# Allegro board nu_2000_main_211102_02.brd (continued)
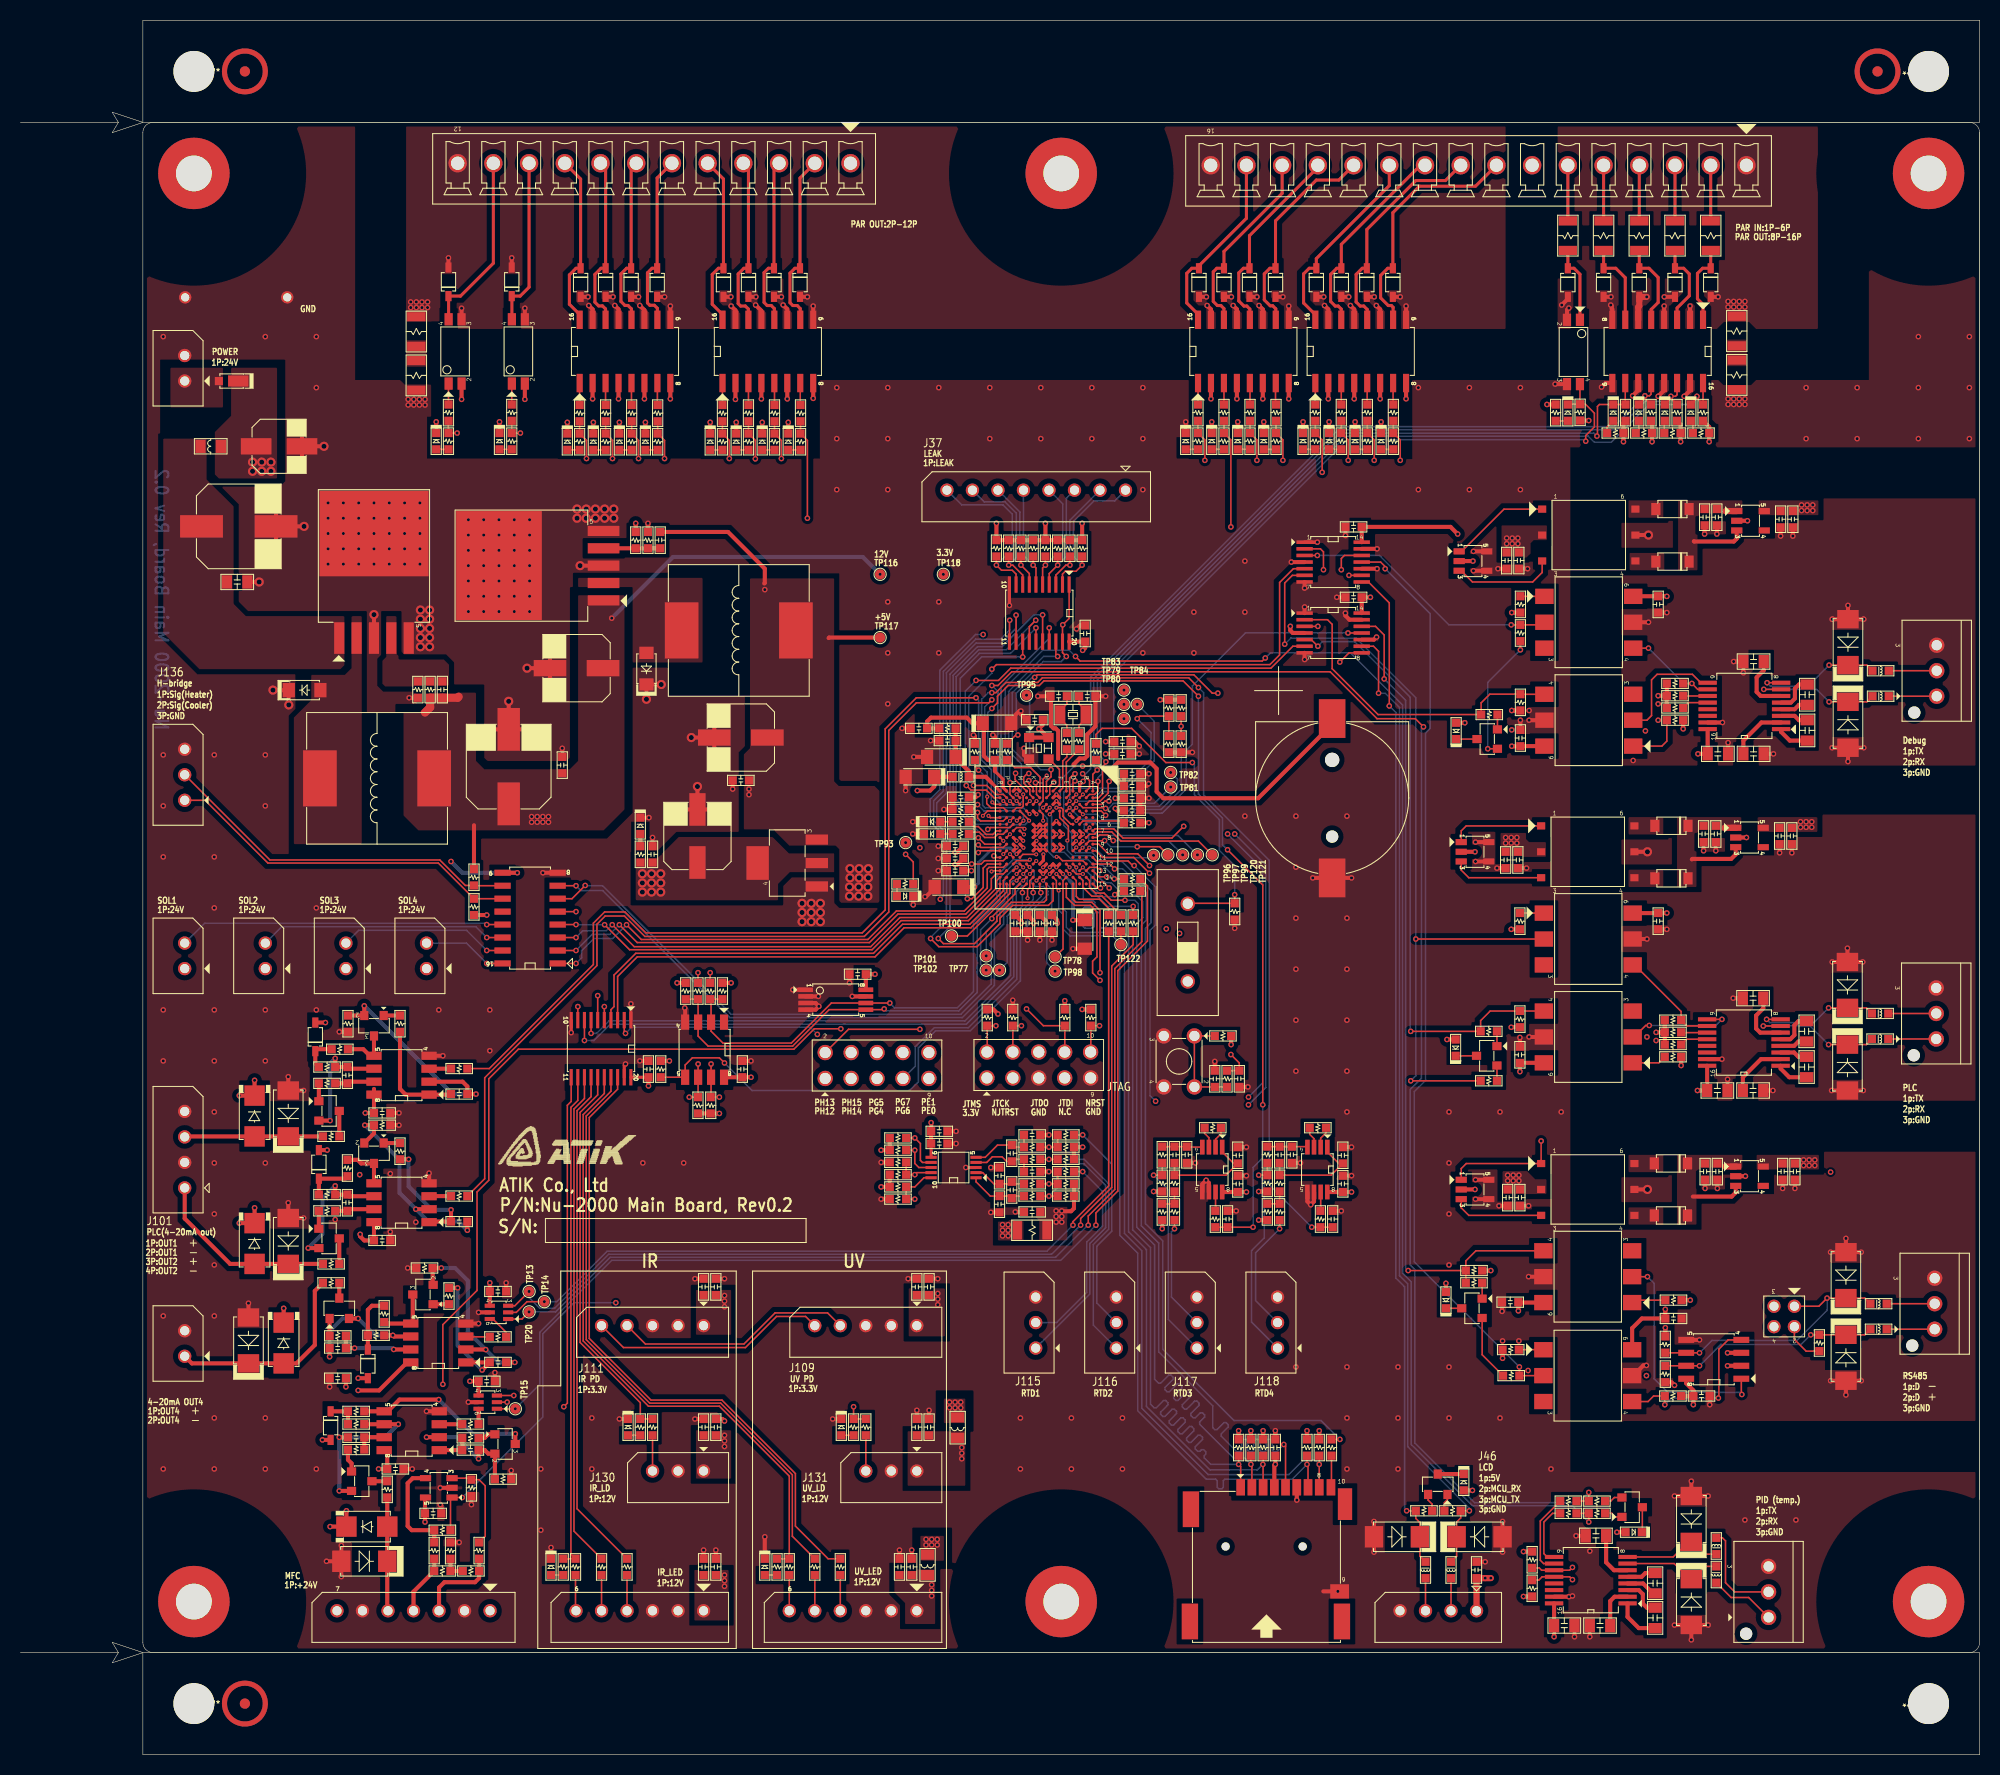
[diagram p0: board, top side]
## Placement (name value [footprint] x y rotation side) (continued)
U19  SP3232ECA-L/TR  [SSOP_16P_A]  153.9 17.1 90 top
U42  TLP293_4  [SOIC_16P_K]  160.45 137.55 180 top
U44  MCP3427-E/UN  [MSOP_10P]  91.45 57.55 90 top
U45  TLP293_4  [SOIC_16P_K]  131.35 137.55 0 top
U46  TLP293_4  [SOIC_16P_K]  119.85 137.55 0 top
U47  TLP293_4  [SOIC_16P_K]  73.25 137.55 0 top
U48  TLP293_4  [SOIC_16P_K]  59.25 137.55 0 top
U66  INA827  [VSSOP_8P_A]  116.8 57.35 180 top
U67  INA827  [VSSOP_8P_A]  127.1 57.35 180 top
U68  KDS181  [SOT23_3P_P]  138.9 26.5 0 top
U69  KDS181  [SOT23_3P_P]  157.95 24.25 270 top
U70  KDS181  [SOT23_3P_P]  143.75 99.55 90 top
U71  KDS181  [SOT23_3P_P]  143.7 68.5 90 top
U72  KDS181  [SOT23_3P_P]  142.25 43.75 90 top
U73  TLP293  [PHOTO_TLP293_4P]  152.2 137.5 270 top
U78  LM7301IM5/NOPB  [SOT23_5P_H]  41 26.15 90 top
U86  max13487eesa  [SOIC_8P]  165.95 38.75 90 top
U87  SN74LV4T125PW  [TSSOP_14P_B]  128.65 116.9 270 top
U88  SN74LV4T125PW  [TSSOP_14P_B]  128.65 109.95 270 top
U106  SP3232ECA-L/TR  [SSOP_16P_A]  168.95 102.8 90 top
U109  SP3232ECA-L/TR  [SSOP_16P_A]  168.9 69.8 90 top
U110  SN6501DBV  [SOT23_5P]  142.35 117 270 top
U111  TPS76350_DBV_5  [SOT23_5P]  169.55 120.95 270 top
U112  H11L1SM  [PDIP_6P]  153.7 111 270 top
U113  H11L1SM  [PDIP_6P]  153.7 101.4 90 top
U114  TPS76350_DBV_5  [SOT23_5P]  169.45 89.9 270 top
U115  SN6501DBV  [SOT23_5P]  142.55 88.5 270 top
U116  H11L1SM  [PDIP_6P]  153.65 79.95 270 top
U117  H11L1SM  [PDIP_6P]  153.65 70.35 90 top
U118  TPS76350_DBV_5  [SOT23_5P]  169.45 56.7 270 top
U119  SN6501DBV  [SOT23_5P]  142.55 55.4 270 top
U120  H11L1SM  [PDIP_6P]  153.6 37.15 270 top
U121  H11L1SM  [PDIP_6P]  153.6 46.85 90 top
U122  TLP293  [PHOTO_TLP293_4P]  42.6 137.55 90 top
U123  TLP293  [PHOTO_TLP293_4P]  48.8 137.55 90 top
U125  SN74LVC541A_PW_20  [TSSOP_20P_C]  56.9 69.2 180 top
U126  PCA9515AD  [SOIC_8P_F]  67.05 69.1 180 top
U127  LM2596DSA  [D2PAK_5P]  34.65 119.7 270 top
U128  LM2596DSA  [D2PAK_5P]  46.9 116.55 0 top
U129  LM7322MA  [SOIC_8P_F]  37.35 54.1 90 top
U130  LM7322MA  [SOIC_8P_F]  37.35 66.6 90 top
U131  LM7322MA  [SOIC_8P_F]  38.35 31.75 90 top
U132  LM7322MA  [SOIC_8P_F]  40.95 40.35 90 top
UNK?  ?  [unnamed#3]  17 15 0 top
UNK?#2  ?  [unnamed#3]  187 155 0 top
UNK?#3  ?  [unnamed#3]  17 155 0 top
UNK?#4  ?  [unnamed#3]  102 155 0 top
UNK?#5  ?  [unnamed#3]  187 15 0 top
UNK?#6  ?  [unnamed#3]  102 15 0 top
UNK?*  -  [unnamed#2]  187 5 180 top
UNK?*#2  -  [unnamed#2]  187 165 180 top
UNK?*#3  -  [unnamed#2]  17 5 0 top
UNK?*#4  -  [unnamed#2]  17 165 0 top
Y1  NX3215SA-32.768K  [XTAL_NX3215SA_2P]  103.15 101.95 180 top
Y2  ASEM1-25  [OSC_ASEMB_3225_4P]  99.8 98.65 270 top

## Library data of the parts
BT1 = BATTERY
C1-C4 C7-C10 C12-C24 C26-C28 C33 C36-C38 C40 C44 C45 C48 C62-C66 C102 C103 C117 C142-C147 C150 C151 C154-C160 C172-C175 C178-C184 C190 C192 C194 C199 C212-C216 C223-C227 C232-C262 C265 = C
C5 C6 C11 C25 C39 C41 C42 C263 C264 = CAP POL
C266-C277 = C_0
D27 D28 D60 D61 D70-D74 D145 D147 D154 D155 D157-D179 = LED_0
D31 D121-D143 D180-D183 = DIODE_0
D33 D156 = SS34FA_4
D75-D78 = DIODE ZENER_0
D79-D90 D92 D93 = DIODE BI-DIR TRIG_0
D148-D153 = MBR0520LT1G_1
J33 = CON10
J34 J121 = CON10AP_0
J36 J120 J132-J135 = 2pin
J37 = 3pin_0
J44 J45 J47 J48 = 3pin
J46 J101 = 3pin_2
J52 = CON16
J53 = CON12
J107 J108 = 5267-06A_1
J109 J111 = 3pin_5
J115-J118 J130 J131 J136 = 3pin_6
J119 = 3pin_7
J129 = JUMPER1
JP1 = JUMPER2
L1-L3 L8-L17 L20-L22 = INDUCTOR
Q100 Q102 Q104 Q106 = SI2319DS-T1-E3_0
Q101 Q103 Q105 Q107 = 2N7002_1
R1-R11 R13-R17 R19-R25 R28 R30 R33-R40 R156-R158 R160 R162-R165 R232 R233 R246 R247 R255 R256 R334-R342 R344-R352 R355 R356 R359 R360 R363 R364 R367 R368 R371 R372 R374 R375 R407-R411 R424-R427 R446 R448 R476 R477 R482-R522 = r_0
R12 = R
R45-R48 R269-R272 R438 R439 R461-R472 R474 R475 R478-R481 R523 R527 R530 R531 R535 R536 R540 R541 = R_1
R85-R88 R144 R151 R171 R176 R178 R180 R188 R189 R191 R193 R198-R201 R206-R209 R214-R216 R221 R223 R229 R231 R265 R266 R381 R383-R388 R428-R430 R524-R526 R528 R529 R532-R534 R537-R539 R542 = r_1
SW1 = SW TACT-SPST-2
SW2 = SW DPDT/SM_4
T1-T3 = 760390014_0
TP13-TP15 TP20 TP77-TP84 TP93 TP95-TP98 TP100-TP102 TP116-TP118 TP120-TP122 = TP_1
TP99 = TP_3
U1 = stm32f4xxh1_0
U3 = 24AA01P_4
U6 = LDO_1
U7 = HCTS540MS_3
U9 U12 = LTC2630_0
U14 = ULN2003A_0
U19 U106 U109 = SP3232E
U42 U45-U48 = TLP293_4
U44 = MCP3427-E/UN_0
U66 U67 = INA827_2
U68-U72 = KDS181_5
U73 U122 U123 = TLP293_0
U78 = OPA686/SO_4
U86 = MAX13487EESAT_0
U87 U88 = SN74LV4T125PWR_0
U110 U115 U119 = SN6501DBVT_0
U111 U114 U118 = TPS76350DBVT_1
U112 U113 U116 U117 U120 U121 = H11L1S-M_2
U125 = SN74LVC541APWR_3
U126 = PCA9515AD_3
U127 U128 = LM2596DSADJR4G_0
U129-U132 = LM7322MA_0
Y1 = CRYSTAL
Y2 = OSC-25MHz_0

## Footprints (pads in the part's own frame, mm; a bottom-side part is the same pattern mirrored in y, then rotated)
B1608
  rect 0.8x0.8 smd: 1(-0.8,0) 2(0.8,0)
BGA_10X10_201P
  round 0.3 smd: A1(-4.55,4.55) A2(-3.9,4.55) A3(-3.25,4.55) A4(-2.6,4.55) A5(-1.95,4.55) A6(-1.3,4.55) A7(-0.65,4.55) A8(0,4.55) A9(0.65,4.55) A10(1.3,4.55) A11(1.95,4.55) A12(2.6,4.55) A13(3.25,4.55) A14(3.9,4.55) A15(4.55,4.55) B1(-4.55,3.9) B2(-3.9,3.9) B3(-3.25,3.9) B4(-2.6,3.9) B5(-1.95,3.9) B6(-1.3,3.9) B7(-0.65,3.9) B8(0,3.9) B9(0.65,3.9) B10(1.3,3.9) B11(1.95,3.9) B12(2.6,3.9) B13(3.25,3.9) B14(3.9,3.9) B15(4.55,3.9) C1(-4.55,3.25) C2(-3.9,3.25) C3(-3.25,3.25) C4(-2.6,3.25) C5(-1.95,3.25) C6(-1.3,3.25) C7(-0.65,3.25) C8(0,3.25) C9(0.65,3.25) C10(1.3,3.25) C11(1.95,3.25) C12(2.6,3.25) C13(3.25,3.25) C14(3.9,3.25) C15(4.55,3.25) D1(-4.55,2.6) D2(-3.9,2.6) D3(-3.25,2.6) D4(-2.6,2.6) D5(-1.95,2.6) D6(-1.3,2.6) D7(-0.65,2.6) D8(0,2.6) D9(0.65,2.6) D10(1.3,2.6) D11(1.95,2.6) D12(2.6,2.6) D13(3.25,2.6) D14(3.9,2.6) D15(4.55,2.6) E1(-4.55,1.95) E2(-3.9,1.95) E3(-3.25,1.95) E4(-2.6,1.95) E12(2.6,1.95) E13(3.25,1.95) E14(3.9,1.95) E15(4.55,1.95) F1(-4.55,1.3) F2(-3.9,1.3) F3(-3.25,1.3) F4(-2.6,1.3) F6(-1.3,1.3) F7(-0.65,1.3) F8(0,1.3) F9(0.65,1.3) F10(1.3,1.3) F12(2.6,1.3) F13(3.25,1.3) F14(3.9,1.3) F15(4.55,1.3) G1(-4.55,0.65) G2(-3.9,0.65) G3(-3.25,0.65) G4(-2.6,0.65) G6(-1.3,0.65) G7(-0.65,0.65) G8(0,0.65) G9(0.65,0.65) G10(1.3,0.65) G12(2.6,0.65) G13(3.25,0.65) G14(3.9,0.65) G15(4.55,0.65) H1(-4.55,0) H2(-3.9,0) H3(-3.25,0) H4(-2.6,0) H6(-1.3,0) H7(-0.65,0) H8(0,0) H9(0.65,0) H10(1.3,0) H12(2.6,0) H13(3.25,0) H14(3.9,0) H15(4.55,0) J1(-4.55,-0.65) J2(-3.9,-0.65) J3(-3.25,-0.65) J4(-2.6,-0.65) J6(-1.3,-0.65) J7(-0.65,-0.65) J8(0,-0.65) J9(0.65,-0.65) J10(1.3,-0.65) J12(2.6,-0.65) J13(3.25,-0.65) J14(3.9,-0.65) J15(4.55,-0.65) K1(-4.55,-1.3) K2(-3.9,-1.3) K3(-3.25,-1.3) K4(-2.6,-1.3) K6(-1.3,-1.3) K7(-0.65,-1.3) K8(0,-1.3) K9(0.65,-1.3) K10(1.3,-1.3) K12(2.6,-1.3) K13(3.25,-1.3) K14(3.9,-1.3) K15(4.55,-1.3) L1(-4.55,-1.95) L2(-3.9,-1.95) L3(-3.25,-1.95) L4(-2.6,-1.95) L12(2.6,-1.95) L13(3.25,-1.95) L14(3.9,-1.95) L15(4.55,-1.95) M1(-4.55,-2.6) M2(-3.9,-2.6) M3(-3.25,-2.6) M4(-2.6,-2.6) M5(-1.95,-2.6) M6(-1.3,-2.6) M7(-0.65,-2.6) M8(0,-2.6) M9(0.65,-2.6) M10(1.3,-2.6) M11(1.95,-2.6) M12(2.6,-2.6) M13(3.25,-2.6) M14(3.9,-2.6) M15(4.55,-2.6) N1(-4.55,-3.25) N2(-3.9,-3.25) N3(-3.25,-3.25) N4(-2.6,-3.25) N5(-1.95,-3.25) N6(-1.3,-3.25) N7(-0.65,-3.25) N8(0,-3.25) N9(0.65,-3.25) N10(1.3,-3.25) N11(1.95,-3.25) N12(2.6,-3.25) N13(3.25,-3.25) N14(3.9,-3.25) N15(4.55,-3.25) P1(-4.55,-3.9) P2(-3.9,-3.9) P3(-3.25,-3.9) P4(-2.6,-3.9) P5(-1.95,-3.9) P6(-1.3,-3.9) P7(-0.65,-3.9) P8(0,-3.9) P9(0.65,-3.9) P10(1.3,-3.9) P11(1.95,-3.9) P12(2.6,-3.9) P13(3.25,-3.9) P14(3.9,-3.9) P15(4.55,-3.9) R1(-4.55,-4.55) R2(-3.9,-4.55) R3(-3.25,-4.55) R4(-2.6,-4.55) R5(-1.95,-4.55) R6(-1.3,-4.55) R7(-0.65,-4.55) R8(0,-4.55) R9(0.65,-4.55) R10(1.3,-4.55) R11(1.95,-4.55) R12(2.6,-4.55) R13(3.25,-4.55) R14(3.9,-4.55) R15(4.55,-4.55)
BT_BC501SM_2P
  round 1.2 hole 1.2 unplated: (0,3.76)
  round 1.41 hole 1.4 unplated: (0,-3.76)
  rect 2.6x3.8 smd: 1(0,-7.81) 2(0,7.81)
C1608
  rect 0.8x0.8 smd: 1(-0.8,0) 2(0.8,0)
C2012
  rect 1x1.3 smd: 1(-1,0) 2(1,0)
CONN_39501_1012_12P
  round 1.8 hole 1.3: 1(-19.25,0) 2(-15.75,0) 3(-12.25,0) 4(-8.75,0) 5(-5.25,0) 6(-1.75,0) 7(1.75,0) 8(5.25,0) 9(8.75,0) 10(12.25,0) 11(15.75,0) 12(19.25,0)
CONN_39501_1016_16P
  round 1.8 hole 1.3: 1(-26.25,0) 2(-22.75,0) 3(-19.25,0) 4(-15.75,0) 5(-12.25,0) 6(-8.75,0) 7(-5.25,0) 8(-1.75,0) 9(1.75,0) 10(5.25,0) 11(8.75,0) 12(12.25,0) 13(15.75,0) 14(19.25,0) 15(22.75,0) 16(26.25,0)
CONN_533750310_3P
  round 1.2 hole 1.2 unplated: (4.1,-2.2)
  round 1.5 hole 1: 1(2.5,0) 2(0,0) 3(-2.5,0)
CONN_PH2_04_UA_4P
  round 1.3 hole 0.9: 1(-1,-1) 2(-1,1) 3(1,-1) 4(1,1)
CONN_PH2_10_UA_10P_A
  round 1.5 hole 1.1: 1(-5.08,-1.27) 2(-5.08,1.27) 3(-2.54,-1.27) 4(-2.54,1.27) 5(0,-1.27) 6(0,1.27) 7(2.54,-1.27) 8(2.54,1.27) 9(5.08,-1.27) 10(5.08,1.27)
CONN_PJS008_9P
  rect 1.6x3.5 smd: (-7.5,0) (-7.4,11) (7.4,0)
  round 0.8 hole 0.8 unplated: (-4,7.35) (3.55,7.35)
  rect 1.4x3.1 smd: (7.7,11.5)
  rect 0.85x1.6 smd: 1(-2.525,13.15) 2(-1.425,13.15) 3(-0.325,13.15) 4(0.775,13.15) 5(1.875,13.15) 6(2.975,13.15) 7(4.075,13.15) 8(5.175,13.15) 10(6.325,13.15)
  rect 1.85x1.4 smd: 9(7.175,2.95)
CONN_ST_5267_2P
  round 1.3 hole 0.9: 1(1.25,0) 2(-1.25,0)
CONN_ST_5267_3P
  round 1.3 hole 0.9: 1(2.5,0) 2(0,0) 3(-2.5,0)
CONN_ST_5267_4P
  round 1.3 hole 0.9: 1(3.75,0) 2(1.25,0) 3(-1.25,0) 4(-3.75,0)
CONN_ST_5267_5P
  round 1.3 hole 0.9: 1(5,0) 2(2.5,0) 3(0,0) 4(-2.5,0) 5(-5,0)
CONN_ST_5267_6P
  round 1.3 hole 0.9: 1(6.25,0) 2(3.75,0) 3(1.25,0) 4(-1.25,0) 5(-3.75,0) 6(-6.25,0)
CONN_ST_5267_7P
  round 1.3 hole 0.9: 1(7.5,0) 2(5,0) 3(2.5,0) 4(0,0) 5(-2.5,0) 6(-5,0) 7(-7.5,0)
CONN_ST_5267_8P
  round 1.3 hole 0.9: 1(8.75,0) 2(6.25,0) 3(3.75,0) 4(1.25,0) 5(-1.25,0) 6(-3.75,0) 7(-6.25,0) 8(-8.75,0)
D2PAK_5P
  rect 3.1x1 smd: 1(10.25,-3.404) 2(10.25,-1.702) 3(10.25,0) 4(10.25,1.702) 5(10.25,3.404)
  rect 8.4x10.7 smd: 6(0,0)
D240_SMA_2P_A
  rect 2x2 smd: 1(-2,0) 2(2,0)
D_DO_214AC_2P_E
  rect 1.8x2.1 smd: 1(-2.25,0) 2(2.25,0)
DO_219AD_2P
  rect 0.8x0.8 smd: 1(1.25,0)
  rect 2x1.1 smd: 2(-0.65,0)
DUMMY_SW_2P
  round 1.4 hole 1: 1(-3.81,0) 2(3.81,0)
ECAP_500
  rect 1.6x3 smd: 1(0,2.25) 2(0,-2.25)
ECAP_630
  rect 1.6x3.2 smd: 1(0,2.6) 2(0,-2.6)
ECAP_800
  rect 2.2x4.2 smd: 1(0,3.65) 2(0,-3.65)
JUMPER_2P
  round 1.2 hole 0.8: 1(-5,0) 2(5,0)
L2012
  rect 1x1.3 smd: 1(-1,0) 2(1,0)
L_MDE1250_2P
  rect 3.3x5.5 smd: 1(-5.6,0) 2(5.6,0)
LED1608
  rect 0.8x0.8 smd: 1(0.8,0) 2(-0.8,0)
MSOP_10P
  rect 0.3x1.1 smd: 1(-1,-2.2) 2(-0.5,-2.2) 3(0,-2.2) 4(0.5,-2.2) 5(1,-2.2) 6(1,2.2) 7(0.5,2.2) 8(0,2.2) 9(-0.5,2.2) 10(-1,2.2)
OSC_ASEMB_3225_4P
  rect 0.9x1 smd: 1(-1.05,-0.95) 2(1.05,-0.95) 3(1.05,0.95) 4(-1.05,0.95)
PDIP_6P
  rect 1.5x1.8 smd: 1(-2.54,-4.35) 2(0,-4.35) 3(2.54,-4.35) 4(2.54,4.35) 5(0,4.35) 6(-2.54,4.35)
PHOTO_TLP293_4P
  rect 1.2x0.8 smd: 1(-3.15,0.635) 2(-3.15,-0.635) 3(3.15,-0.635) 4(3.15,0.635)
R1608
  rect 0.8x0.8 smd: 1(-0.8,0) 2(0.8,0)
R3216
  rect 0.9x1.8 smd: 1(-1.45,0) 2(1.45,0)
SC70_6P_B
  rect 0.4x1 smd: 1(0.65,0.9) 2(0,0.9) 3(-0.65,0.9) 4(-0.65,-0.9) 5(0,-0.9) 6(0.65,-0.9)
SOD123_2P_G
  rect 0.9x1.2 smd: 1(1.625,0) 2(-1.625,0)
SOD123FL_2P
  rect 1.2x1.4 smd: 1(1.55,0) 2(-1.55,0)
SOD323_2P_L
  rect 1x0.6 smd: 1(1.4,0) 2(-1.4,0)
SOIC_8P
  rect 0.6x1.55 smd: 1(-1.905,-2.7) 2(-0.635,-2.7) 3(0.635,-2.7) 4(1.905,-2.7) 5(1.905,2.7) 6(0.635,2.7) 7(-0.635,2.7) 8(-1.905,2.7)
SOIC_8P_F
  rect 0.8x1.5 smd: 1(-1.905,-2.7) 2(-0.635,-2.7) 3(0.635,-2.7) 4(1.905,-2.7) 5(1.905,2.7) 6(0.635,2.7) 7(-0.635,2.7) 8(-1.905,2.7)
SOIC_16P
  rect 0.6x1.6 smd: 1(-4.445,-2.7) 2(-3.175,-2.7) 3(-1.905,-2.7) 4(-0.635,-2.7) 5(0.635,-2.7) 6(1.905,-2.7) 7(3.175,-2.7) 8(4.445,-2.7) 9(4.445,2.7) 10(3.175,2.7) 11(1.905,2.7) 12(0.635,2.7) 13(-0.635,2.7) 14(-1.905,2.7) 15(-3.175,2.7) 16(-4.445,2.7)
SOIC_16P_K
  rect 0.6x1.8 smd: 1(-4.445,-3.1) 2(-3.175,-3.1) 3(-1.905,-3.1) 4(-0.635,-3.1) 5(0.635,-3.1) 6(1.905,-3.1) 7(3.175,-3.1) 8(4.445,-3.1) 9(4.445,3.1) 10(3.175,3.1) 11(1.905,3.1) 12(0.635,3.1) 13(-0.635,3.1) 14(-1.905,3.1) 15(-3.175,3.1) 16(-4.445,3.1)
SOT23_3P_E
  rect 0.8x0.9 smd: 1(-0.95,-1) 2(0.95,-1) 3(0,1)
SOT23_3P_I
  rect 0.8x0.9 smd: 1(-0.95,-1) 2(0.95,-1) 3(0,1)
SOT23_3P_P
  rect 0.8x0.9 smd: 1(0.95,-1) 2(-0.95,-1) 3(0,1)
SOT23_5P
  rect 0.6x1.1 smd: 1(-0.95,-1.35) 2(0,-1.35) 3(0.95,-1.35) 4(0.95,1.35) 5(-0.95,1.35)
SOT23_5P_H
  rect 0.6x1.1 smd: 1(-0.95,-1.3) 2(0,-1.3) 3(0.95,-1.3) 4(0.95,1.3) 5(-0.95,1.3)
SOT_223_4P_C
  rect 1x2.2 smd: 1(-2.3,-2.9) 2(0,-2.9) 3(2.3,-2.9)
  rect 3.3x2.2 smd: 4(0,2.9)
SSOP_16P_A
  rect 0.4x1.8 smd: 1(-2.275,-3.6) 2(-1.625,-3.6) 3(-0.975,-3.6) 4(-0.325,-3.6) 5(0.325,-3.6) 6(0.975,-3.6) 7(1.625,-3.6) 8(2.275,-3.6) 9(2.275,3.6) 10(1.625,3.6) 11(0.975,3.6) 12(0.325,3.6) 13(-0.325,3.6) 14(-0.975,3.6) 15(-1.625,3.6) 16(-2.275,3.6)
SW_TS_1109_4P
  round 1.5 hole 1: 1(-2.5,1.5) 2(2.5,1.5) 3(-2.5,-1.5) 4(2.5,-1.5)
TAN_3216A_C
  rect 1.2x1.4 smd: 1(-1.4,0) 2(1.4,0)
TF_760390014_6P
  rect 0.8x0.7 smd: 1(-4.57,2.54) 2(-4.57,0) 3(-4.57,-2.54) 4(4.57,-2.54) 5(4.57,0) 6(4.57,2.54)
TP_100
  round 1 smd: 1(0,0)
TSSOP_8P_B
  rect 0.45x1.45 smd: 1(-0.975,-2.95) 2(-0.325,-2.95) 3(0.325,-2.95) 4(0.975,-2.95) 5(0.975,2.95) 6(0.325,2.95) 7(-0.325,2.95) 8(-0.975,2.95)
TSSOP_14P_B
  rect 0.35x1.6 smd: 1(-1.95,-2.8) 2(-1.3,-2.8) 3(-0.65,-2.8) 4(0,-2.8) 5(0.65,-2.8) 6(1.3,-2.8) 7(1.95,-2.8) 8(1.95,2.8) 9(1.3,2.8) 10(0.65,2.8) 11(0,2.8) 12(-0.65,2.8) 13(-1.3,2.8) 14(-1.95,2.8)
TSSOP_20P_C
  rect 0.3x1.6 smd: 1(-2.925,-2.8) 2(-2.275,-2.8) 3(-1.625,-2.8) 4(-0.975,-2.8) 5(-0.325,-2.8) 6(0.325,-2.8) 7(0.975,-2.8) 8(1.625,-2.8) 9(2.275,-2.8) 10(2.925,-2.8) 11(2.925,2.8) 12(2.275,2.8) 13(1.625,2.8) 14(0.975,2.8) 15(0.325,2.8) 16(-0.325,2.8) 17(-0.975,2.8) 18(-1.625,2.8) 19(-2.275,2.8) 20(-2.925,2.8)
unnamed#2
  round 4.01 hole 4 unplated: (0,0)
unnamed#3
  round 7 hole 3.5: 1(0,0)
unnamed#4
  round 1 smd: 1(0,0)
VSSOP_8P_A
  rect 0.45x1.45 smd: 1(-0.975,-2.2) 2(-0.325,-2.2) 3(0.325,-2.2) 4(0.975,-2.2) 5(0.975,2.2) 6(0.325,2.2) 7(-0.325,2.2) 8(-0.975,2.2)
XTAL_NX3215SA_2P
  rect 1x1.8 smd: 1(-1.25,0) 2(1.25,0)

## Nets
3.3V: C8.1 C9.2 C10.2 C12.2 C13.2 C14.2 C15.2 C16.2 C17.2 C18.2 C19.2 C20.2 C21.2 C22.2 C23.2 C27.2 C28.2 C37.2 C41.1 C44.2 C63.1 C102.2 C103.2 C117.2 C142.2 C144.2 C146.2 C147.2 C150.2 C151.2 C199.2 C260.2 C261.2 D71.1(ANODE) J33.4 J34.1 J109.1 J111.1 L1.1 R1.2 R5.1 R13.2 R14.2 R15.2 R16.2 R17.2 R19.2 R20.2 R21.2 R22.2 R23.2 R33.2 R34.2 R35.2 R36.2 R37.2 R38.2 R39.2 R40.2 R45.1 R47.1 R85.2 R86.2 R87.2 R88.2 R156.2 R157.2 R162.2 R163.2 R171.2 R256.1 R375.2 R424.1 R426.1 R482.1 R483.1 R484.1 R498.1 R499.1 R500.1 R501.1 R502.1 SW2.1(NC1) TP118.1 U1.C5(VDD) U1.C7(VDD_1) U1.C8(VDD_2) U1.C9(VDD_3) U1.F3(VDD_4) U1.G3(VDD_5) U1.G13(VDD_9) U1.H13(VDD_10) U1.J12(VDD_11) U1.J13(VDD_12) U1.K4(VDD_6) U1.N8(VDD_7) U1.N9(VDD_8) U1.N10(VDD_13) U3.8(VCC) U6.2(OUT1) U6.4(OUT2) U7.20(VCC) U19.16(VCC) U44.6(VDD) U66.8(+VS) U67.8(+VS) U88.14(VCC) U125.20(VCC) U126.8(VCC) Y2.1(EN) Y2.4(VCC)
5V: C45.2 C48.2 C178.2 C192.2 C194.1 C232.2 C233.2 C239.2 C244.2 C245.2 C247.2 C252.2 C253.2 C255.2 C262.2 C264.1 C265.2 D70.1(ANODE) D72.1(ANODE) D73.1(ANODE) D74.1(ANODE) J46.1 L22.2 R461.1 R463.1 R465.1 R469.1 R471.1 R474.1 R489.1 T1.2 T2.2 T3.2 TP117.1 U6.3(IN) U9.4(VCC) U12.4(VCC) U78.5(+VCC) U87.14(VCC) U110.2(VCC) U113.6(VCC) U115.2(VCC) U117.6(VCC) U119.2(VCC) U121.6(VCC)
12V: C33.2 C36.2 C42.1 C263.1 L2.2 L20.1 L21.1 R28.1 R521.1 R522.1 TP116.1 U128.1(VIN)
24V: C38.1 C267.1 C269.1 C272.1 C275.1 D31.2(K) D75.2(CATHODE) D76.2(CATHODE) D77.2(CATHODE) D78.2(CATHODE) D180.1(A) D181.1(A) D182.1(A) D183.1(A) J119.1 J132.1 J133.1 J134.1 J135.1 L3.1 U14.9(COM) U129.8(V+) U130.8(V+) U131.8(V+) U132.8(V+)
GND: BT1.2(-) C1.2 C2.1 C3.1 C4.2 C5.2 C6.2 C7.1 C8.2 C9.1 C10.1 C11.2 C12.1 C13.1 C14.1 C15.1 C16.1 C17.1 C18.1 C19.1 C20.1 C21.1 C22.1 C23.1 C24.1 C25.2 C26.1 C27.1 C28.1 C33.1 C37.1 C38.2 C39.2 C40.1 C41.2 C42.2 C44.1 C45.1 C48.1 C63.2 C65.1 C66.1 C102.1 C103.1 C117.1 C142.1 C143.1 C144.1 C145.1 C146.1 C147.1 C150.1 C151.1 C154.2 C156.1 C157.1 C159.1 C160.1 C172.1 C173.1 C174.1 C175.1 C178.1 C179.1 C181.1 C182.1 C183.1 C192.1 C194.2 C199.1 C232.1 C233.1 C239.1 C244.1 C245.1 C247.1 C252.1 C253.1 C255.1 C256.1 C257.1 C258.1 C259.1 C260.1 C261.1 C263.2 C264.2 C265.1 C267.2 C269.2 C272.2 C275.2 D27.2(CATHODE) D28.2(CATHODE) D33.2(A) D60.2(CATHODE) D61.2(CATHODE) D79.1 D80.1 D81.1 D82.1 D87.1 D88.1 D89.1 D90.1 D145.2(CATHODE) D147.2(CATHODE) D154.2(CATHODE) D155.2(CATHODE) D156.2(A) D162.2(CATHODE) D163.2(CATHODE) D164.2(CATHODE) D165.2(CATHODE) D166.2(CATHODE) D167.2(CATHODE) D168.2(CATHODE) D169.2(CATHODE) D170.2(CATHODE) D171.2(CATHODE) D172.2(CATHODE) D173.2(CATHODE) D174.2(CATHODE) D175.2(CATHODE) D176.2(CATHODE) D177.2(CATHODE) D178.2(CATHODE) D179.2(CATHODE) J33.6 J33.9 J34.5 J34.9 J36.2 J46.4 J47.3 J101.2 J101.4 J107.2 J107.3 J108.2 J108.3 J109.2 J109.3 J111.2 J111.3 J115.3 J116.3 J117.3 J118.3 J119.2 J119.6 J120.2 J129.1 J129.2 J130.2 J131.2 J136.3 R7.2 R9.1 R25.1 R30.2 R164.1 R165.1 R374.2 R384.2 R388.2 R425.2 R427.2 R486.1 R488.1 R490.2 R524.1 R532.1 R537.1 R542.1 SW1.3 SW1.4 U1.D5(VSS) U1.D7(VSS_1) U1.D8(VSS_2) U1.D9(VSS_3) U1.F2(VSS_4) U1.F6(VSS_5) U1.F7(VSS_6) U1.F8(VSS_7) U1.F9(VSS_8) U1.F10(VSS_28) U1.F12(VSS_29) U1.G2(VSS_9) U1.G6(VSS_10) U1.G7(VSS_11) U1.G8(VSS_12) U1.G9(VSS_13) U1.G10(VSS_30) U1.G12(VSS_31) U1.H6(VSS_14) U1.H7(VSS_15) U1.H8(VSS_16) U1.H9(VSS_17) U1.H10(VSS_32) U1.H12(VSS_33) U1.J6(VSS_18) U1.J7(VSS_19) U1.J8(VSS_20) U1.J9(VSS_21) U1.J10(VSS_34) U1.K6(VSS_22) U1.K7(VSS_23) U1.K8(VSS_24) U1.K9(VSS_25) U1.K10(VSS_35) U1.M1(VSSA) U1.M8(VSS_26) U1.M9(VSS_27) U1.N1(VREF-) U3.1(NC) U3.2(A1) U3.3(A2) U3.4(GND) U3.7(WP) U6.1(GND) U7.10(GND) U9.5(GND) U12.5(GND) U14.8(GND) U19.15(GND) U42.9 U42.11 U42.13 U42.15 U44.3(VSS) U45.2 U45.4 U45.6 U45.8 U46.2 U46.4 U46.6 U46.8 U47.2 U47.4 U47.6 U47.8 U48.2 U48.4 U48.6 U48.8 U66.5(-VS) U66.6(REF) U67.5(-VS) U67.6(REF) U73.3 U78.2(-VCC) U87.1(1OE_N) U87.4(2OE_N) U87.7(GND) U87.10(3OE_N) U87.13(4OE_N) U88.1(1OE_N) U88.4(2OE_N) U88.7(GND) U88.10(3OE_N) U88.13(4OE_N) U110.4(GND) U110.5(GND_1) U113.5(GND) U115.4(GND) U115.5(GND_1) U117.5(GND) U119.4(GND) U119.5(GND_1) U121.5(GND) U122.2 U123.2 U125.1(*OE1) U125.10(GND) U125.19(*OE2) U126.4(GND) U127.3(GND) U127.5(*ON/OFF) U127.6(EPAD) U128.3(GND) U128.5(*ON/OFF) U128.6(EPAD) U129.4(V-) U130.4(V-) U131.4(V-) U132.4(V-) Y2.2(GND)
VDDA: C11.1 C24.2 L1.2 R12.1 U1.R1(VDDA)
B_PAR_IN_0: J52.2 R407.2
B_PAR_IN_1: J52.3 R408.2
B_PAR_IN_2: J52.4 R409.2
B_PAR_IN_3: J52.5 R410.2
B_PAR_IN_4: J52.6 R411.2
B_PAR_IN_COM: D121.1(A) D122.1(A) D123.1(A) D124.1(A) D125.1(A) J52.1 R485.2 U42.2 U42.4 U42.6 U42.8 U73.2
B_PAR_OUT_0: D129.2(K) J52.8 U45.10
B_PAR_OUT_1: D128.2(K) J52.9 U45.12
B_PAR_OUT_2: D127.2(K) J52.10 U45.14
B_PAR_OUT_3: D126.2(K) J52.11 U45.16
B_PAR_OUT_4: D133.2(K) J52.12 U46.10
B_PAR_OUT_5: D132.2(K) J52.13 U46.12
B_PAR_OUT_6: D131.2(K) J52.14 U46.14
B_PAR_OUT_7: D130.2(K) J52.15 U46.16
B_PAR_OUT_8: D137.2(K) J53.2 U47.10
B_PAR_OUT_9: D136.2(K) J53.3 U47.12
B_PAR_OUT_10: D135.2(K) J53.4 U47.14
B_PAR_OUT_11: D134.2(K) J53.5 U47.16
B_PAR_OUT_12: D141.2(K) J53.6 U48.10
B_PAR_OUT_13: D140.2(K) J53.7 U48.12
B_PAR_OUT_14: D139.2(K) J53.8 U48.14
B_PAR_OUT_15: D138.2(K) J53.9 U48.16
B_PAR_OUT_16: D143.2(K) J53.10 U123.4
B_PAR_OUT_17: D142.2(K) J53.11 U122.4
B_PAR_OUT_COM: D126.1(A) D127.1(A) D128.1(A) D129.1(A) D130.1(A) D131.1(A) D132.1(A) D133.1(A) D134.1(A) D135.1(A) D136.1(A) D137.1(A) D138.1(A) D139.1(A) D140.1(A) D141.1(A) D142.1(A) D143.1(A) J52.16 J53.12 R487.2 U45.9 U45.11 U45.13 U45.15 U46.9 U46.11 U46.13 U46.15 U47.9 U47.11 U47.13 U47.15 U48.9 U48.11 U48.13 U48.15 U122.3 U123.3
BOOT0: R8.2 U1.D6(BOOT0)
BOOT1: R9.2 U1.M6(PB2/BOOT1)
BYPASS_REG: R7.1 U1.L4(BYPASS_REG)
C420_IN1_VTG: R383.2 U1.L1(PF10) U78.1(OUT)
C420_OUT1_VTG: R223.1 U1.N4(PA4)
C420_OUT2_VTG: R231.1 U1.P4(PA5)
E_STOP: J37.6 R35.1 U7.7(A6)
FGND1: C213.2 C214.1 C215.1 C234.1 C235.1 C236.1 C237.1 C238.1 D83.1 D84.1 J44.3 T1.5 U106.15(GND) U111.2(GND) U112.5(GND)
FGND2: C224.2 C225.1 C226.1 C240.1 C241.1 C242.1 C243.1 C246.1 D85.1 D86.1 J45.3 T2.5 U109.15(GND) U114.2(GND) U116.5(GND)
FGND3: C190.1 C248.1 C249.1 C250.1 C251.1 C254.1 D92.1 D93.1 J48.3 R430.1 T3.5 U86.5(GND) U118.2(GND) U120.5(GND)
H-BRIDGE_SIG1B: U1.M14(PD14) U14.6(IN6)
H-BRIDGE_SIG2B: U1.L14(PD15) U14.7(IN7)
I2C3_EN: R484.2 U1.L12(PH11) U126.5(EN)
I2C3_SCL: R19.1 R491.2 U1.N12(PH7) U3.6(SCL) U126.2(SCL0)
I2C3_SDA: R20.1 R492.2 U1.M12(PH8) U3.5(SDA) U126.3(SDA0)
IR_LD_ONOFF: U1.R4(PB1) U125.9(A8)
IR_LED_CUR_SEL1: U1.M7(PG1) U125.6(A5)
IR_LED_CUR_SEL2: U1.L15(PG2) U125.7(A6)
IR_LED_ONOFF: U1.K15(PG3) U125.8(A7)
LEAK: J37.1 R40.1 U7.2(A1)
LED GR: R10.1 U1.R7(PF14)
LED_RED: R11.1 U1.P7(PF15)
LED_YL: R255.1 U1.N6(PF13)
MFC_ERROR: J119.7 U1.M13(PH9)
NRST: C2.2 J34.10 R3.1 R4.1 R23.1
PAR_IN0: D157.2(CATHODE) R85.1 U1.A2(PE2) U42.16
PAR_IN1: D158.2(CATHODE) R86.1 U1.A1(PE3) U42.14
PAR_IN2: D159.2(CATHODE) R87.1 U1.B1(PE4) U42.12
PAR_IN3: D160.2(CATHODE) R88.1 U1.B2(PE5) U42.10
PAR_IN4: D161.2(CATHODE) R171.1 U1.B3(PE6) U73.4
PAR_OUT0: R188.1 R503.2 U1.R8(PE7)
PAR_OUT1: R180.1 R504.2 U1.P8(PE8)
PAR_OUT2: R178.1 R505.2 U1.P9(PE9)
PAR_OUT3: R176.1 R506.2 U1.R9(PE10)
PAR_OUT4: R198.1 R507.2 U1.P10(PE11)
PAR_OUT5: R193.1 R508.2 U1.R10(PE12)
PAR_OUT6: R191.1 R509.2 U1.N11(PE13)
PAR_OUT7: R189.1 R510.2 U1.P11(PE14)
PAR_OUT8: R206.1 R511.2 U1.R11(PE15)
PAR_OUT9: R201.1 R512.2 U1.E2(PF0)
PAR_OUT10: R200.1 R513.2 U1.H3(PF1)
PAR_OUT11: R199.1 R514.2 U1.H2(PF2)
PAR_OUT12: R214.1 R515.2 U1.J2(PF3)
PAR_OUT13: R209.1 R516.2 U1.J3(PF4)
PAR_OUT14: R208.1 R517.2 U1.K3(PF5)
PAR_OUT15: R207.1 R518.2 U1.K2(PF6)
PAR_OUT16: R216.1 R519.2 U1.K1(PF7)
PAR_OUT17: R215.1 R520.2 U1.L3(PF8)
PDR_ON: R5.2 U1.C6(PDR_ON)
PT100_IN3: C143.2 R345.1 U1.P3(PA6)
PT100_IN4: C145.2 R351.1 U1.R3(PA7)
RD_E_STOP: U1.P5(PC5) U7.13(Y\6\)
RD_ENB: U1.B12(PD0) U7.1(G\1\) U7.19(G\2\)
RD_LEAK: U1.M2(PC0) U7.18(Y\1\)
RD_RSVD1: U1.M3(PC1) U7.17(Y\2\)
RD_RSVD2: U1.M4(PC2) U7.16(Y\3\)
RD_RSVD3: U1.M5(PC3) U7.15(Y\4\)
RD_RSVD4: U1.N5(PC4) U7.14(Y\5\)
RD_RSVD5: U1.H15(PC6) U7.12(Y\7\)
RD_RSVD6: U1.G15(PC7) U7.11(Y\8\)
RS232_RX1: U1.D15(PA10) U88.3(1Y)
RS232_RX1_5V: R364.2 R463.2 U88.2(1A) U113.4(VO)
RS232_RX2: U1.R2(PA3) U88.6(2Y)
RS232_RX2_5V: R368.2 R469.2 U88.5(2A) U117.4(VO)
RS232_RX3: U1.R13(PB11) U88.8(3Y)
RS232_RX3_5V: D87.2 L13.1 R356.2 U88.9(3A)
RS232_RX4: R48.1 R360.2 U1.N2(PA1)
RS232_TX1: U1.E15(PA9) U87.2(1A)
RS232_TX1_5V: R363.2 U87.3(1Y) U112.2(C)
RS232_TX2: U1.P2(PA2) U87.5(2A)
RS232_TX2_5V: R367.2 U87.6(2Y) U116.2(C)
RS232_TX3: U1.R12(PB10) U87.9(3A)
RS232_TX3_5V: D88.2 L12.1 R355.2 U87.8(3Y)
RS232_TX4: R46.1 R359.2 U1.N3(PA0/WKUP)
RS485_RX: U1.C10(PG9) U88.11(4Y)
RS485_RX_5V: R372.2 R474.2 U88.12(4A) U121.4(VO)
RS485_TX: U1.A7(PG14) U87.12(4A)
RS485_TX_5V: R371.2 U87.11(4Y) U120.2(C)
RSVD_1: J37.2 R39.1 U7.3(A2)
RSVD_2: J37.3 R38.1 U7.4(A3)
RSVD_3: J37.4 R37.1 U7.5(A4)
RSVD_4: J37.5 R36.1 U7.6(A5)
RSVD_5: J37.7 R34.1 U7.8(A7)
RSVD_6: J37.8 R33.1 U7.9(A8)
RTD_SCK: R157.1 U1.H4(PH4) U44.8(SCL)
RTD_SDA: R156.1 U1.J4(PH5) U44.7(SDA)
RX1: D84.2 L9.1 U106.8(R2IN)
RX2: D86.2 L11.1 U109.8(R2IN)
RX4: D90.2 L15.1 U19.8(R2IN)
SD_CLK: J33.5 U1.A12(PC12)
SD_CMD: J33.3 R15.1 U1.D12(PD2)
SD_D0: J33.7 R16.1 U1.G14(PC8)
SD_D1: J33.8 R17.1 U1.F14(PC9)
SD_D2: J33.1 R13.1 U1.B14(PC10)
SD_D3: J33.2 R14.1 U1.B13(PC11)
SD_DETECT: R24.2 U1.D1(PC13)
SOL_1: U1.P12(PB12) U14.1(IN1)
SOL_2: U1.P13(PB13) U14.2(IN2)
SOL_3: U1.R14(PB14) U14.3(IN3)
SOL_4: U1.R15(PB15) U14.4(IN4)
SPI_MOSI: R495.2 TP13.1 U9.3(SDI) U12.3(SDI)
SPI_SCK: R493.2 TP14.1 U9.2(SCK) U12.2(SCK)
SPI_SEL_CH1-: R496.1 TP15.1 U9.1(CS-)
SPI_SEL_CH2-: R497.1 TP20.1 U12.1(CS-)
SYS_JTCK_SWCLK: J34.4 R25.2 U1.A14(PA14)
SYS_JTDI: J34.8 R22.1 U1.A13(PA15)
SYS_JTDO_SWO: J34.6 U1.A10(PB3)
SYS_JTMS_SWDIO: J34.2 R21.1 U1.A15(PA13)
SYS_NJTRST: J34.3 U1.A9(PB4)
TEMP0: J121.1 U1.K12(PH12)
TEMP1: J121.2 U1.E12(PH13)
TEMP2: J121.3 U1.E13(PH14)
TEMP3: J121.4 U1.D13(PH15)
TEMP4: J121.5 U1.K14(PG4)
TEMP5: J121.6 U1.K13(PG5)
TEMP6: J121.7 U1.J15(PG6)
TEMP7: J121.8 U1.J14(PG7)
TEMP8: J121.9 U1.A4(PE0)
TEMP9: J121.10 U1.A3(PE1)
TX1: D83.2 L8.1 U106.7(T2OUT)
TX2: D85.2 L10.1 U109.7(T2OUT)
TX4: D89.2 L14.1 U19.7(T2OUT)
UV_LD_ONOFF: U1.R5(PB0) U125.5(A4)
UV_LED_CUR_SEL1: U1.A11(PD7) U125.2(A1)
UV_LED_CUR_SEL2: U1.P15(PD8) U125.3(A2)
UV_LED_ONOFF: U1.P14(PD9) U125.4(A3)
VISO1: C213.1 C235.2 C236.2 C238.2 R438.1 R439.1 R462.1 R464.2 U106.16(VCC) U111.5(OUT) U112.6(VCC)
VISO2: C224.1 C242.2 C243.2 C246.2 R466.1 R467.1 R468.1 R470.2 U109.16(VCC) U114.5(OUT) U116.6(VCC)
VISO3: C190.2 C250.2 C251.2 C254.2 R429.2 R472.1 R475.2 U86.2(RE-) U86.3(SHDN-) U86.8(VCC) U118.5(OUT) U120.6(VCC)
VREF: C7.2 C25.1 C26.2 R12.2 U1.P1(VREF+)
VRTD: C154.1 R158.2 R160.2 R232.2 R233.2 R246.2 R247.2 R346.2 R347.2 R375.1
N184005: J47.2 L15.2
N184734: J44.1 L8.2
N184744: J44.2 L9.2
N184830: J46.3 L12.2
N188924: J45.1 L10.2
N188950: J45.2 L11.2
N190845: J46.2 L13.2
N191518: J47.1 L14.2
N249473: R46.2 U19.10(T2IN)
N249553: R48.2 U19.9(R2OUT)
N249571: C62.2 U19.1(C1+)
N249607: C66.2 U19.2(V+)
N249615: C62.1 U19.3(C1-)
N249631: C64.2 U19.4(C2+)
N249715: C64.1 U19.5(C2-)
N6733103: U1.G1(PH0/OSC_IN) Y2.3(OUT)
N6733621: R2.1 U1.E1(PC14/OSC32_IN)
N6733629: C1.1 R2.2 Y1.1
N6733665: C4.1 R6.2 Y1.2
N6733705: R6.1 U1.F1(PC15/OSC32_OUT)